# Altium PCB as_x31.PcbDoc (part 5 of 8) (continued)
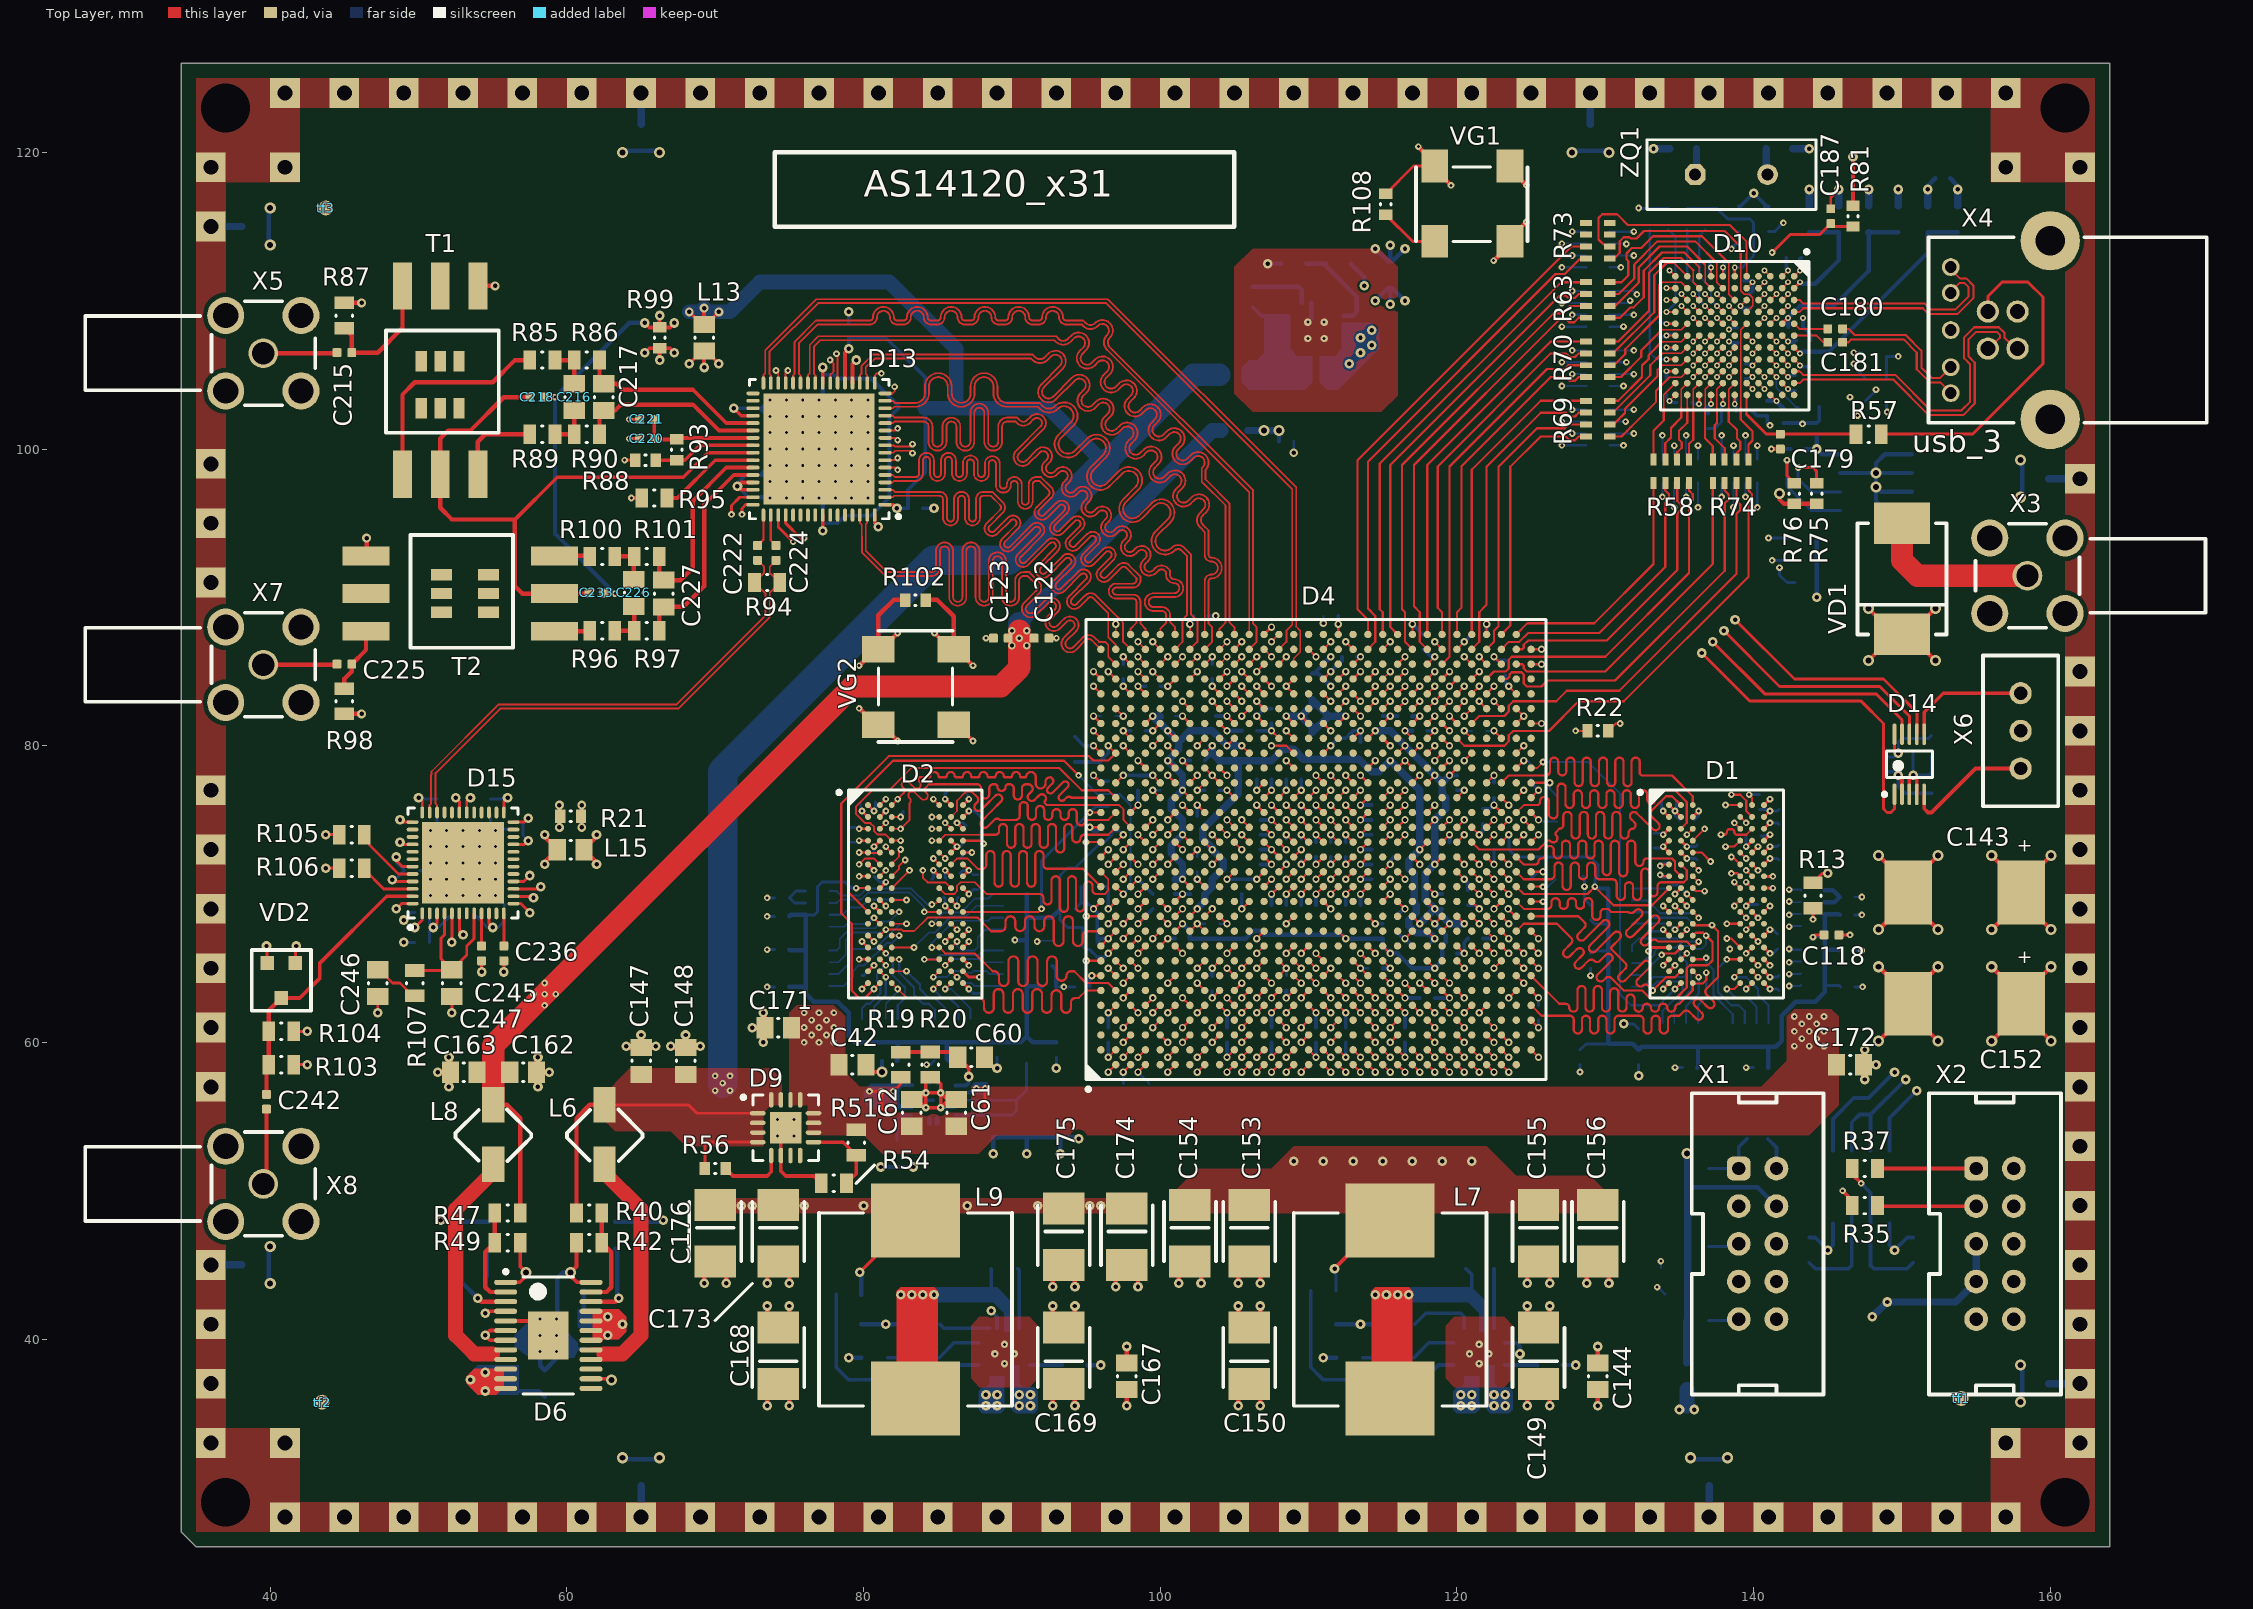
[diagram p0: Top Layer view]
## Nets (pads, with @x,y where several pads share a name; then routed paths per layer and width w, separated by ;. In a path a pad name is that pad's centre, name@x,y a point inside that pad or via, vN(x,y) a via of type N, cw(c..) or ccw(c..) an arc to the next point about the centre after c; other vN are vias at no path point) (continued)
  Bottom Layer w0.125: v2(142.4,70.3) 143.15,70.3 R1.8@143.2,70.25
DDR0_CKE: D1.K9 D4.AK18 R15.2 | length 28.5
  Top Layer w0.125: D1.K9@140.7,68.8 v2(141.1,69.2)
  Top Layer w0.15: D4.AK18@125,75.5 v1(125.5,75)
  int_2 w0.125: 135.2,71.9 135.7,71.9 135.917,72.117 136.6,72.117 138.717,70 140.3,70 v2(141.1,69.2)
  int_2 w0.2: v1(125.5,75) 125.8,74.7 ccw(c126.012,74.912) 126.224,74.7 126.649,75.124 cw(c126.861,74.912) 127.073,75.124 cw(c126.861,74.912) 127.073,74.7 125.81,73.437 ccw(c126.022,73.225) 125.81,73.013 ccw(c126.022,73.225) 126.234,73.013 126.649,73.427 cw(c126.861,73.215) 127.073,73.427 127.2,73.3 128.4,73.3 ccw(c128.4,73.6) 128.7,73.6 128.7,74.2 cw(c129,74.2) 129,74.5 cw(c129,74.2) 129.3,74.2 129.3,73.6 ccw(c129.6,73.6) 129.6,73.3 ccw(c129.6,73.6) 129.9,73.6 129.9,74.2 cw(c130.2,74.2) 130.2,74.5 cw(c130.2,74.2) 130.5,74.2 130.5,73.6 ccw(c130.8,73.6) 130.8,73.3 131.6,73.3 132.5,72.4 134.3,72.4 134.8,71.9 135.2,71.9
  Bottom Layer w0.125: v1(125.5,75) 125.6,74.9 R15.2@126.75,74.9
DDR0_CS: D1.L2 D4.Y12 R4.8 | length 28.1
  Top Layer w0.15: D4.Y12@115,69.5 v1(115.5,70) ; v2(134.7,67.6) D1.L2@135.1,68
  int_1 w0.15: v1(115.5,70) 115,70.5 115,71.15 115.014,71.15 115.314,71.45 115.75,71.45 116.2,71.9 116.9,71.9 117.4,71.4 118.464,71.4 121.414,68.45 121.686,68.45 121.95,68.186 121.95,67.914 122.364,67.5 ; 132.075,67.075 134.175,67.075 v2(134.7,67.6)
  int_1 w0.2: 122.364,67.5 125.8,67.5 126.225,67.075 132.075,67.075
  Bottom Layer w0.15: R4.8@131.8,67.975 131.85,68.025 134.275,68.025 v2(134.7,67.6)
DDR0_DM0: D1.E7 D4.AE15 | length 28.8
  Top Layer w0.15: D4.AE15@120,72.5 v1(120.5,72) ; D1.E7@139.1,72.8 v2(139.5,72.4)
  int_1 w0.125: 136.5,67.9 138.6,70 139.8,70 140.725,70.925
  int_1 w0.15: v1(120.5,72) 120,71.5 120,70.7 121.15,69.55 121.65,69.55 121.95,69.25 121.95,68.814 122.264,68.5 ; 133.2,67.8 133.5,68.1 135.9,68.1 136.1,67.9 136.5,67.9 ; v2(139.5,72.4) 140.101,72.4 140.725,71.776 140.725,70.925
  int_1 w0.2: 122.264,68.5 125.6,68.5 126.3,67.8 133.2,67.8
DDR0_DM1: D1.D3 D4.AH19 | length 21.7
  Top Layer w0.15: D4.AH19@123,76.5 v1(123.5,76) ; D1.D3@135.9,73.6 v2(136.7,74.4)
  int_1 w0.15: v1(123.5,76) 123.7,75.8 126.6,75.8 127,76.2 ; 134.9,76.2 135.1,76.2 ; 135.1,76.189 cw(c135.1,75.989) 135.3,75.989 135.3,75.6 ccw(c135.5,75.6) 135.5,75.4 135.611,75.4 ccw(c135.611,75.59) 135.8,75.59 135.8,76 cw(c136,76) 136,76.2 136.424,76.2 cw(c136.424,76.024) 136.6,76.024 ccw(c136.924,76.024) 136.924,75.7 137.5,75.7 cw(c137.5,75.5) 137.7,75.5 cw(c137.5,75.5) 137.5,75.3 136.8,75.3 ccw(c136.8,75.1) 136.6,75.1 ccw(c136.8,75.1) 136.8,74.9 137.439,74.9 cw(c137.439,74.7) 137.639,74.7 137.639,74.663 cw(c137.376,74.663) 137.376,74.4 v2(136.7,74.4)
  int_1 w0.2: 127,76.2 134.9,76.2
DDR0_DQ0: D1.E3 D4.AF15 | length 24.3
  Top Layer w0.15: D4.AF15@121,72.5 v1(121.5,72) ; D1.E3@135.9,72.8 136.5,72.8 v2(137.1,72.2)
  int_1 w0.125: 134.1,70.1 134.5,70.5 135.8,70.5 136.513,69.788 136.888,69.788 137.3,70.2 137.3,72 v2(137.1,72.2)
  int_1 w0.15: v1(121.5,72) 121.95,71.55 123.75,71.55 ccw(c123.75,71.9) 124.1,71.9 cw(c124.4,71.9) 124.4,72.2 124.5,72.2 cw(c124.5,71.9) 124.8,71.9 124.8,71.8 ccw(c125.05,71.8) 125.05,71.55 125.1,71.55 ccw(c125.1,71.8) 125.35,71.8 125.35,71.85 cw(c125.5,71.85) 125.5,72 ; 132.4,70.1 133,70.1 cw(c133,69.825) 133.275,69.825 133.275,69.805 ccw(c133.55,69.805) 133.55,69.53 ccw(c133.55,69.805) 133.825,69.805 133.825,69.825 cw(c134.1,69.825) 134.1,70.1
  int_1 w0.2: 125.5,72 126.3,72 127.3,71 130,71 cw(c130,70.7) 130.3,70.7 130.3,70.6 ccw(c130.6,70.6) 130.6,70.3 ccw(c130.6,70.6) 130.9,70.6 130.9,70.7 cw(c131.2,70.7) 131.2,71 131.5,71 132.4,70.1
DDR0_DQ1: D1.F7 D4.AE16 | length 28.6
  Top Layer w0.15: D4.AE16@120,73.5 v1(120.5,74) ; v2(138.5,72.5) 138.6,72.5 D1.F7@139.1,72
  int_1 w0.125: 138,78 138.925,77.075 138.925,76.225 137.9,75.2 137.9,74.511 138.6,73.811 138.6,72.6 v2(138.5,72.5)
  int_1 w0.15: v1(120.5,74) 121,74.5 121,75.8 122.3,77.1 123.5,77.1 124.1,77.7 125.2,77.7 125.5,78
  int_1 w0.2: 125.5,78 127,78 ccw(c127,78.25) 127.25,78.25 cw(c127.5,78.25) 127.5,78.5 136.75,78.5 cw(c136.75,78.25) 137,78.25 ccw(c137.25,78.25) 137.25,78 138,78
DDR0_DQ2: D1.F2 D4.AJ14 | length 27.1
  Top Layer w0.15: D4.AJ14@124,71.5 124.5,71 126.3,71 ccw(c126.3,71.275) 126.575,71.275 126.575,71.85 cw(c126.85,71.85) 126.85,72.125 cw(c126.85,71.85) 127.125,71.85 127.125,70.55 ccw(c127.4,70.55) 127.4,70.275 ccw(c127.4,70.55) 127.675,70.55 127.675,71.85 cw(c127.95,71.85) 127.95,72.125 cw(c127.95,71.85) 128.225,71.85 128.225,71.275 ccw(c128.5,71.275) 128.5,71 ccw(c128.5,71.275) 128.775,71.275 128.775,71.85 cw(c129.05,71.85) 129.05,72.125 cw(c129.05,71.85) 129.325,71.85 129.325,71.275 ccw(c129.6,71.275) 129.6,71 130.478,71 cw(c130.478,70.703) 130.775,70.703 130.775,69.875 ccw(c131.05,69.875) 131.05,69.6 ccw(c131.05,69.875) 131.325,69.875 131.325,70.525 cw(c131.6,70.525) 131.6,70.8 cw(c131.6,70.525) 131.875,70.525 131.875,69.875 ccw(c132.15,69.875) 132.15,69.6 ccw(c132.15,69.875) 132.425,69.875 132.425,71.451 cw(c132.7,71.451) 132.7,71.726 cw(c132.7,71.451) 132.975,71.451 132.975,70.126 ccw(c133.25,70.126) 133.25,69.851 ccw(c133.25,70.126) 133.525,70.126 133.525,70.525 cw(c133.8,70.525) 133.8,70.8 135.3,70.8 135.5,71 135.5,71.6 D1.F2@135.1,72
DDR0_DQ3: D1.F8 D4.AH15 | length 31.5
  Top Layer w0.15: D4.AH15@123,72.5 v1(123.5,72) ; D1.F8@139.9,72 v2(140.3,71.6)
  int_1 w0.125: v1(123.5,72) 123.063,72.437 121.3,72.437 121,72.137 121,70.8 121.3,70.5 121.619,70.5 121.938,70.181 121.938,69.944 122.381,69.5 123.75,69.5 124.25,69 ; 136.124,68.825 136.825,68.825 138.3,70.3 139.7,70.3 140,70.6 140,71.3
  int_1 w0.15: 131.75,68.4 135.7,68.4 135.875,68.575 ; 135.875,68.576 136.124,68.825 ; 140,71.3 v2(140.3,71.6)
  int_1 w0.2: 124.25,69 126,69 126.6,68.4 126.75,68.4 ccw(c126.75,68.65) 127,68.65 127,68.85 cw(c127.25,68.85) 127.25,69.1 cw(c127.25,68.85) 127.5,68.85 127.5,68.65 ccw(c127.75,68.65) 127.75,68.4 ccw(c127.75,68.65) 128,68.65 128,68.85 cw(c128.25,68.85) 128.25,69.1 cw(c128.25,68.85) 128.5,68.85 128.5,68.65 ccw(c128.75,68.65) 128.75,68.4 ccw(c128.75,68.65) 129,68.65 129,68.85 cw(c129.25,68.85) 129.25,69.1 cw(c129.25,68.85) 129.5,68.85 129.5,68.65 ccw(c129.75,68.65) 129.75,68.4 ccw(c129.75,68.65) 130,68.65 130,68.85 cw(c130.25,68.85) 130.25,69.1 cw(c130.25,68.85) 130.5,68.85 130.5,68.65 ccw(c130.75,68.65) 130.75,68.4 131.75,68.4
DDR0_DQ4: D1.H3 D4.AE17 | length 25.4
  Top Layer w0.15: D4.AE17@120,74.5 v1(120.5,75) ; D1.H3@135.9,70.4 136.1,70.2 v2(136.7,70.2)
  int_1 w0.125: 135.7,71.9 135.899,72.099 136.6,72.099 136.899,71.8 ; v2(136.7,70.2) 136.9,70.4 136.9,71.8
  int_1 w0.15: 120.2,73.5 120,73.7 120,74.5 v1(120.5,75)
  int_1 w0.2: 120.2,73.5 126.75,73.5 cw(c126.75,73) 127.25,73 127.25,72.75 ccw(c127.5,72.75) 127.5,72.5 127.713,72.5 ccw(c127.713,72.787) 128,72.787 128,73.25 cw(c128.25,73.25) 128.25,73.5 129,73.5 cw(c129,73.25) 129.25,73.25 ccw(c129.5,73.25) 129.5,73 ccw(c129.5,73.25) 129.75,73.25 cw(c130,73.25) 130,73.5 130.5,73.5 130.75,73.25 132.05,73.25 132.9,72.4 133.7,72.4 cw(c133.7,71.9) 134.2,71.9 134.2,71.719 ccw(c134.5,71.719) 134.5,71.419 135.219,71.419 ccw(c135.219,71.6) 135.4,71.6 cw(c135.7,71.6) 135.7,71.9
DDR0_DQ5: D1.H8 D4.AD17 | length 31
  Top Layer w0.15: D4.AD17@119,74.5 v1(119.5,75) ; v2(139.5,70.8) D1.H8@139.9,70.4
  int_1 w0.125: 138.2,78.4 139.2,77.4 139.2,75.901 138.275,74.976 138.275,74.625 139,73.9
  int_1 w0.15: v1(119.5,75) 122,77.5 123.1,77.5 123.7,78.1 124.9,78.1 125.2,78.4 ; 139,73.9 139,71.3 v2(139.5,70.8)
  int_1 w0.2: 125.2,78.4 126.4,78.4 ccw(c126.4,78.75) 126.75,78.75 cw(c127,78.75) 127,79 137.25,79 cw(c137.25,78.75) 137.5,78.75 137.5,78.65 ccw(c137.75,78.65) 137.75,78.4 138.2,78.4
DDR0_DQ6: D1.G2 D4.AJ15 | length 28.7
  Top Layer w0.15: D4.AJ15@124,72.5 124.5,72 125.3,72 ccw(c125.3,72.2) 125.5,72.2 cw(c125.7,72.2) 125.7,72.4 ccw(c125.7,72.675) 125.975,72.675 125.975,72.972 cw(c126.25,72.972) 126.25,73.247 cw(c126.25,72.972) 126.525,72.972 126.525,72.675 ccw(c126.8,72.675) 126.8,72.4 ccw(c126.8,72.675) 127.075,72.675 127.075,73.325 cw(c127.35,73.325) 127.35,73.6 cw(c127.35,73.325) 127.625,73.325 127.625,72.675 ccw(c127.9,72.675) 127.9,72.4 ccw(c127.9,72.675) 128.175,72.675 128.175,73.325 cw(c128.45,73.325) 128.45,73.6 cw(c128.45,73.325) 128.725,73.325 128.725,72.675 ccw(c129,72.675) 129,72.4 ccw(c129,72.675) 129.275,72.675 129.275,73.325 cw(c129.55,73.325) 129.55,73.6 cw(c129.55,73.325) 129.825,73.325 129.825,71.55 ccw(c130.1,71.55) 130.1,71.275 ccw(c130.1,71.55) 130.375,71.55 130.375,73.325 cw(c130.65,73.325) 130.65,73.6 cw(c130.65,73.325) 130.925,73.325 130.925,71.475 ccw(c131.2,71.475) 131.2,71.2 ccw(c131.2,71.475) 131.475,71.475 131.475,73.325 cw(c131.75,73.325) 131.75,73.6 cw(c131.75,73.325) 132.025,73.325 132.025,72.171 ccw(c132.3,72.171) 132.3,71.896 ccw(c132.3,72.171) 132.575,72.171 132.575,72.175 cw(c132.8,72.175) 132.8,72.4 134.5,72.4 134.7,72.2 134.7,71.6 D1.G2@135.1,71.2
DDR0_DQ7: D1.H7 D4.AF14 | length 23
  Top Layer w0.15: D4.AF14@121,71.5 v1(121.5,71) ; v2(138.7,70.8) D1.H7@139.1,70.4
  int_1 w0.125: v1(121.5,71) 122,70.5 123.5,70.5 cw(c123.5,70) 124,70 ccw(c124.4,70) 124.4,69.6 ccw(c124.4,70) 124.8,70 124.8,70.2 cw(c125.1,70.2) 125.1,70.5 cw(c125.1,70.213) 125.387,70.213 125.387,70.15 ccw(c125.537,70.15) 125.537,70 125.6,70 ; 136.1,69.2 136.8,69.2 138.4,70.8 v2(138.7,70.8)
  int_1 w0.15: 132,69.1 132,69 ccw(c132.3,69) 132.3,68.7 135.601,68.7 135.925,69.024 136.1,69.2
  int_1 w0.2: 125.6,70 126.2,70 126.7,69.5 126.9,69.5 ccw(c126.9,69.9) 127.3,69.9 cw(c127.6,69.9) 127.6,70.2 cw(c127.6,69.9) 127.9,69.9 127.9,69.8 ccw(c128.2,69.8) 128.2,69.5 130.9,69.5 cw(c130.9,69.2) 131.2,69.2 131.2,69.1 ccw(c131.4,69.1) 131.4,68.9 ccw(c131.4,69.1) 131.6,69.1 cw(c131.8,69.1) 131.8,69.3 cw(c131.8,69.1) 132,69.1
DDR0_DQ8: D1.D7 D4.AK17 | length 25
  Top Layer w0.15: v1(124.5,75) D4.AK17@125,74.5 ; v2(138.1,73.2) 138.7,73.2 D1.D7@139.1,73.6
  int_1 w0.125: 132.6,74.8 135.301,74.8 136,74.101 136,72.648 ccw(c136.3,72.648) 136.3,72.348 136.537,72.348 ccw(c136.537,72.612) 136.8,72.612 136.8,73 cw(c137,73) 137,73.2 137.3,73.2 cw(c137.3,72.951) 137.549,72.951 137.549,71.2 ccw(c137.649,71.2) 137.649,71.1 138,71.1 ccw(c138,71.189) 138.089,71.189 138.089,71.412 ccw(c138,71.412) 138,71.5 137.9,71.5 cw(c137.9,71.6) 137.8,71.6 137.8,71.7 cw(c137.9,71.7) 137.9,71.8 138.1,71.8 ccw(c138.1,72) 138.3,72 ccw(c138.1,72) 138.1,72.2 138,72.2 cw(c138,72.3) 137.9,72.3 137.9,72.5 cw(c138,72.5) 138,72.6 ccw(c138,72.7) 138.1,72.7 v2(138.1,73.2)
  int_1 w0.15: v1(124.5,75) 124.95,74.55 125.85,74.55 126.1,74.8
  int_1 w0.2: 126.1,74.8 127.3,74.8 cw(c127.6,74.8) 127.9,74.8 128.5,74.8 cw(c128.8,74.8) 129.1,74.8 129.7,74.8 cw(c130,74.8) 130.3,74.8 130.9,74.8 cw(c131.2,74.8) 131.5,74.8 ccw(c131.8,74.8) 132.1,74.8 132.6,74.8
DDR0_DQ9: D1.C3 D4.AK16 | length 21.8
  Top Layer w0.15: D4.AK16@125,73.5 v1(125.5,74) ; v2(135.5,74) D1.C3@135.9,74.4
  int_1 w0.2: v1(125.5,74) 125.828,74 ccw(c125.828,74.172) 126,74.172 cw(c126.25,74.172) 126.25,74.422 cw(c126.25,74.172) 126.5,74.172 ccw(c126.672,74.172) 126.672,74 126.775,74 ccw(c126.775,74.225) 127,74.225 cw(c127.25,74.225) 127.25,74.475 cw(c127.25,74.225) 127.5,74.225 ccw(c127.725,74.225) 127.725,74 127.775,74 ccw(c127.775,74.225) 128,74.225 cw(c128.25,74.225) 128.25,74.475 cw(c128.25,74.225) 128.5,74.225 ccw(c128.725,74.225) 128.725,74 128.775,74 ccw(c128.775,74.225) 129,74.225 cw(c129.25,74.225) 129.25,74.475 cw(c129.25,74.225) 129.5,74.225 ccw(c129.725,74.225) 129.725,74 129.775,74 ccw(c129.775,74.225) 130,74.225 cw(c130.25,74.225) 130.25,74.475 cw(c130.25,74.225) 130.5,74.225 ccw(c130.725,74.225) 130.725,74 131,74 cw(c131,73.75) 131.25,73.75 ccw(c131.425,73.75) 131.425,73.575 131.8,73.575 ; 131.8,73.574 132.074,73.574 ccw(c132.074,73.75) 132.25,73.75 132.25,74.25 cw(c132.476,74.25) 132.476,74.476 132.624,74.476 cw(c132.624,74.2) 132.9,74.2 132.9,73.2 ccw(c133.1,73.2) 133.1,73 133.2,73 ccw(c133.2,73.2) 133.4,73.2 133.4,74.2 cw(c133.7,74.2) 133.7,74.5 134.1,74.5 cw(c134.1,74.06) 134.54,74.06 134.54,72 ccw(c134.74,72) 134.74,71.8 134.9,71.8 ccw(c134.9,71.951) 135.051,71.951 135.051,73.251 135.051,73.551 cw(c135.5,73.551) v2(135.5,74)
DDR0_DQ10: D1.C8 D4.AG17 | length 23.9
  Top Layer w0.15: D4.AG17@122,74.5 v1(122.5,75) ; v2(137.8,74) 138,74 ccw(c138,74.2) 138.2,74.2 cw(c138.376,74.2) 138.376,74.376 138.524,74.376 cw(c138.524,74.2) 138.7,74.2 ccw(c138.9,74.2) 138.9,74 139.5,74 D1.C8@139.9,74.4
  int_1 w0.125: 133.6,75.1 135.4,75.1 136.289,74.212 136.289,73.512 ccw(c136.5,73.512) 136.5,73.3 ccw(c136.5,73.5) 136.7,73.5 136.7,73.789 cw(c136.9,73.789) 136.7,73.799 cw(c136.9,73.789) 136.9,73.989 cw(c136.9,73.789) 137.1,73.789 137.1,73.659 ccw(c137.3,73.659) 137.3,73.459 ccw(c137.3,73.659) 137.5,73.659 137.5,73.7 v2(137.8,74)
  int_1 w0.15: v1(122.5,75) ccw(c123.05,75) 123.05,74.45 123.5,74.45 ccw(c123.5,74.95) 124,74.95 124,75 cw(c124.5,75) 124.5,75.5 126.75,75.5 ; 133.2,75.5 133.6,75.1
  int_1 w0.2: 126.75,75.5 127.95,75.5 cw(c128.25,75.5) 128.55,75.5 129.15,75.5 cw(c129.45,75.5) 129.75,75.5 130.35,75.5 cw(c130.65,75.5) 130.95,75.5 131.55,75.5 cw(c131.85,75.5) 132.15,75.5 ccw(c132.45,75.5) 132.75,75.5 133.2,75.5
DDR0_DQ11: D1.C2 D4.AJ18 | length 29.1
  Top Layer w0.125: D4.AJ18@124,75.5 124.5,76 125.4,76
  Top Layer w0.15: 125.4,76 ccw(c125.4,76.2) 125.6,76.2 125.6,76.25 cw(c125.9,76.25) 125.9,76.55 cw(c125.9,76.25) 126.2,76.25 126.2,75.4 ccw(c126.5,75.4) 126.5,75.1 ccw(c126.5,75.375) 126.775,75.375 126.775,77.172 cw(c127.05,77.172) 127.05,77.447 cw(c127.05,77.172) 127.325,77.172 127.325,76.075 ccw(c127.6,76.075) 127.6,75.8 ccw(c127.6,76.075) 127.875,76.075 127.875,76.725 cw(c128.15,76.725) 128.15,77 cw(c128.15,76.725) 128.425,76.725 128.425,76.075 ccw(c128.7,76.075) 128.7,75.8 ccw(c128.7,76.075) 128.975,76.075 128.975,76.725 cw(c129.25,76.725) 129.25,77 cw(c129.25,76.725) 129.525,76.725 129.525,76.075 ccw(c129.8,76.075) 129.8,75.8 ccw(c129.8,76.075) 130.075,76.075 130.075,76.725 cw(c130.35,76.725) 130.35,77 cw(c130.35,76.725) 130.625,76.725 130.625,76.075 ccw(c130.9,76.075) 130.9,75.8 ccw(c130.9,76.075) 131.175,76.075 131.175,76.725 cw(c131.45,76.725) 131.45,77 cw(c131.45,76.725) 131.725,76.725 131.725,76.075 ccw(c132,76.075) 132,75.8 ccw(c132,76.075) 132.275,76.075 132.275,76.725 cw(c132.55,76.725) 132.55,77 cw(c132.55,76.725) 132.825,76.725 132.825,76.376 ccw(c133.1,76.376) 133.1,76.101 ccw(c133.1,76.376) 133.375,76.376 133.375,76.725 cw(c133.65,76.725) 133.65,77 134.7,77 135.5,76.2 135.5,74.8 D1.C2@135.1,74.4
DDR0_DQ12: D1.A7 D4.AG16 | length 25.8
  Top Layer w0.15: D4.AG16@122,73.5 v1(122.5,74) ; v2(138.1,76) D1.A7@139.1,76
  int_1 w0.15: v1(122.5,74) 122,74.5 122,76.3 122.3,76.6 123.8,76.6 124.325,76.075 126.451,76.075 127.176,76.8 ; 136.9,76.8 137.675,76.025 138.075,76.025 v2(138.1,76)
  int_1 w0.2: 127.176,76.8 127.776,76.8 ccw(c128.076,76.826) 128.376,76.8 cw(c128.676,76.8) 128.976,76.8 ccw(c129.276,76.826) 129.576,76.8 cw(c129.876,76.8) 130.176,76.8 ccw(c130.476,76.826) 130.776,76.8 cw(c131.076,76.8) 131.376,76.8 ccw(c131.676,76.825) 131.976,76.8 cw(c132.276,76.8) 132.576,76.8 ccw(c132.876,76.825) 133.176,76.8 cw(c133.476,76.8) 133.776,76.8 ccw(c134.076,76.825) 134.376,76.8 cw(c134.676,76.8) 134.976,76.8 ccw(c135.276,76.8) 135.576,76.8 cw(c135.876,76.8) 136.176,76.8 136.9,76.8
DDR0_DQ13: D1.A2 D4.AF16 | length 32.2
  Top Layer w0.15: D4.AF16@121,73.5 121.5,73 125.5,73 126.065,73.565 cw(c126.183,73.447) 126.301,73.565 ccw(c126.496,73.76) 126.69,73.565 ccw(c126.496,73.76) 126.69,73.954 cw(c126.808,74.072) 126.69,74.19 126.9,74.4 ccw(c126.9,74.675) 127.175,74.675 127.175,75.264 cw(c127.45,75.264) 127.45,75.539 cw(c127.45,75.264) 127.725,75.264 127.725,74.016 ccw(c128,74.016) 128,73.741 ccw(c128,74.016) 128.275,74.016 128.275,75.264 cw(c128.55,75.264) 128.55,75.539 cw(c128.55,75.264) 128.825,75.264 128.825,74.016 ccw(c129.1,74.016) 129.1,73.741 ccw(c129.1,74.016) 129.375,74.016 129.375,75.264 cw(c129.65,75.264) 129.65,75.539 cw(c129.65,75.264) 129.925,75.264 129.925,74.016 ccw(c130.2,74.016) 130.2,73.741 ccw(c130.2,74.016) 130.475,74.016 130.475,75.264 cw(c130.75,75.264) 130.75,75.539 cw(c130.75,75.264) 131.025,75.264 131.025,74.015 ccw(c131.3,74.015) 131.3,73.74 ccw(c131.3,74.015) 131.575,74.015 131.575,74.125 cw(c131.85,74.125) 131.85,74.4 131.9,74.4 131.955,74.455 ccw(c131.761,74.65) 131.955,74.844 131.741,75.059 cw(c131.935,75.254) 131.741,75.448 cw(c131.935,75.254) 132.13,75.448 132.539,75.039 133.193,74.385 ccw(c133.387,74.579) 133.582,74.385 ccw(c133.387,74.579) 133.582,74.774 133.122,75.233 cw(c133.317,75.428) 133.122,75.622 134.1,76.6 134.5,76.6 D1.A2@135.1,76
DDR0_DQ14: D1.B8 D4.AJ19 | length 22.8
  Top Layer w0.15: D4.AJ19@124,76.5 v1(124.5,77) ; v2(138.5,76.7) 139.1,76.7 139.5,76.3 139.5,75.6 D1.B8@139.9,75.2
  int_1 w0.125: 136.5,77.75 136.75,77.5 137.3,77.5 138.1,76.7 v2(138.5,76.7)
  int_1 w0.15: v1(124.5,77) 125.1,76.4 126.15,76.4
  int_1 w0.2: 126.15,76.4 127.5,77.75 128.2,77.75 ccw(c128.475,77.75) 128.75,77.75 cw(c129.025,77.75) 129.3,77.75 ccw(c129.575,77.75) 129.85,77.75 cw(c130.125,77.75) 130.4,77.75 ccw(c130.675,77.75) 130.95,77.75 cw(c131.225,77.75) 131.5,77.75 ccw(c131.775,77.75) 132.05,77.75 cw(c132.325,77.75) 132.6,77.75 ccw(c132.875,77.75) 133.15,77.75 cw(c133.425,77.75) 133.7,77.75 ccw(c133.975,77.75) 134.25,77.75 cw(c134.525,77.75) 134.8,77.75 ccw(c135.075,77.75) 135.35,77.75 cw(c135.625,77.75) 135.9,77.75 136.5,77.75
DDR0_DQ15: D1.A3 D4.AH20 | length 31.7
  Top Layer w0.15: D4.AH20@123,77.5 123.5,78 126,78 ccw(c126,78.275) 126.275,78.275 126.275,78.925 cw(c126.55,78.925) 126.55,79.2 cw(c126.55,78.925) 126.825,78.925 126.825,78.275 ccw(c127.1,78.275) 127.1,78 ccw(c127.1,78.275) 127.375,78.275 127.375,78.925 cw(c127.65,78.925) 127.65,79.2 cw(c127.65,78.925) 127.925,78.925 127.925,77.548 ccw(c128.2,77.548) 128.2,77.273 ccw(c128.2,77.548) 128.475,77.548 128.475,78.925 cw(c128.75,78.925) 128.75,79.2 cw(c128.75,78.925) 129.025,78.925 129.025,77.548 ccw(c129.3,77.548) 129.3,77.273 ccw(c129.3,77.548) 129.575,77.548 129.575,78.925 cw(c129.85,78.925) 129.85,79.2 cw(c129.85,78.925) 130.125,78.925 130.125,77.548 ccw(c130.4,77.548) 130.4,77.273 ccw(c130.4,77.548) 130.675,77.548 130.675,78.925 cw(c130.95,78.925) 130.95,79.2 cw(c130.95,78.925) 131.225,78.925 131.225,77.547 ccw(c131.5,77.547) 131.5,77.272 ccw(c131.5,77.547) 131.775,77.547 131.775,78.925 cw(c132.05,78.925) 132.05,79.2 cw(c132.05,78.925) 132.325,78.925 132.325,78.175 ccw(c132.5,78.175) 132.5,78 134.5,78 135.9,76.6 D1.A3@135.9,76
DDR0_DQS0_N: D1.G3 D4.AA16 | length 34.9
  Top Layer w0.125: D4.AA16@116,73.5 v1(116.5,74) ; D1.G3@135.9,71.2 v2(136.3,70.8)
  int_1 w0.13: v1(116.5,74) 116.5,73.3 cw(c116.2,73.3) 116.2,73 115.3,73 ccw(c115.3,72.8) 115.1,72.8 115.1,72.7 ccw(c115.3,72.7) 115.3,72.5 116.5,72.5 ccw(c116.5,72.8) 116.8,72.8 116.8,73.1 cw(c117.2,73.1) 117.2,73.5 118.358,73.5 cw(c118.358,73.3) 118.558,73.3 cw(c118.358,73.3) 118.358,73.1 118.3,73.1 ccw(c118.3,72.8) 118,72.8 ccw(c118.3,72.8) 118.3,72.5 119.197,72.5 cw(c119.197,72.197) 119.5,72.197 119.5,71.9 ccw(c119.7,71.9) 119.7,71.7 ccw(c119.7,71.9) 119.9,71.9 119.9,72.5 cw(c120.2,72.5) 120.2,72.8 123,72.8 123.75,72.8 124.669,72.8 ccw(c125.212,72.845) 125.212,72.3 ccw(c125.212,72.845) 125.755,72.8 126.133,72.8 127.533,71.4 127.9,71.4 ccw(c127.9,71.945) 128.445,71.945 128.445,72.185 cw(c128.66,72.185) 128.66,72.4 cw(c128.66,72.185) 128.875,72.185 128.875,71.945 ccw(c129.42,71.945) 129.42,71.4 ccw(c129.42,71.945) 129.965,71.945 129.965,72.185 cw(c130.18,72.185) 130.18,72.4 cw(c130.18,72.185) 130.395,72.185 130.395,71.945 ccw(c130.94,71.945) 130.94,71.4 ccw(c130.94,71.945) 131.485,71.945 131.485,72.185 cw(c131.7,72.185) 131.7,72.4 cw(c131.7,72.185) 131.915,72.185 131.915,71.218 132.633,70.5 134,70.5 134.3,70.8 v2(136.3,70.8)
DDR0_DQS0_P: D1.F3 D4.Y16 | length 34.8
  Top Layer w0.125: D4.Y16@115,73.5 v1(115.5,74) ; D1.F3@135.9,72 v2(136.3,71.6)
  int_1 w0.13: v1(115.5,74) cw(c116.015,74) 116.015,74.515 116.515,74.515 ccw(c116.515,75) 117,75 117,75.218 cw(c117.182,75.218) 117.182,75.4 117.86,75.4 cw(c117.86,75.2) 118.06,75.2 cw(c117.86,75.2) 117.86,75 117.5,75 ccw(c117.5,74.8) 117.3,74.8 117.3,74.1 ccw(c117.5,74.1) 117.5,73.9 ccw(c117.5,74.1) 117.7,74.1 117.7,74.5 cw(c117.9,74.5) 117.9,74.7 cw(c117.9,74.5) 118.1,74.5 118.1,74.042 ccw(c118.3,74.042) 118.3,73.842 ccw(c118.3,74.042) 118.5,74.042 118.5,74.3 cw(c118.7,74.3) 118.7,74.5 cw(c118.7,74.3) 118.9,74.3 118.9,73.418 ccw(c119.188,73.418) 119.188,73.13 121.2,73.13 123,73.13 124.712,73.13 cw(c124.712,72.845) 124.997,72.845 ccw(c125.212,72.845) 125.212,72.63 ccw(c125.212,72.845) 125.427,72.845 cw(c125.712,72.845) 125.712,73.13 126.27,73.13 127.664,71.736 127.9,71.736 ; 127.906,71.736 ccw(c127.906,71.945) 128.115,71.945 128.115,72.185 cw(c128.66,72.185) 128.66,72.73 cw(c128.66,72.185) 129.205,72.185 129.205,71.945 ccw(c129.42,71.945) 129.42,71.73 ccw(c129.42,71.945) 129.635,71.945 129.635,72.185 cw(c130.18,72.185) 130.18,72.73 cw(c130.18,72.185) 130.725,72.185 130.725,71.945 ccw(c130.94,71.945) 130.94,71.73 ccw(c130.94,71.945) 131.155,71.945 131.155,72.185 cw(c131.7,72.185) 131.7,72.73 cw(c131.7,72.185) 132.245,72.185 132.245,71.355 132.77,70.83 133.863,70.83 134.163,71.13 135.463,71.13 135.933,71.6 v2(136.3,71.6)
DDR0_DQS1_N: D1.B7 D4.Y18 | length 35.3
  Top Layer w0.125: D4.Y18@115,75.5 v1(115.5,76) ; D1.B7@139.1,75.2 v2(139.5,74.8)
  int_1 w0.13: v1(115.5,76) 116,76.5 117.133,76.5 117.433,76.8 119.1,76.8 121.2,78.9 123.6,78.9 124.2,79.5 125.233,79.5 125.463,79.73 126.467,79.73 cw(c127.01,79.685) 127.01,80.23 cw(c127.01,79.685) 127.553,79.73 127.987,79.73 cw(c128.53,79.685) 128.53,80.23 cw(c128.53,79.685) 129.073,79.73 129.507,79.73 cw(c130.05,79.685) 130.05,80.23 cw(c130.05,79.685) 130.593,79.73 131.027,79.73 cw(c131.57,79.685) 131.57,80.23 cw(c131.57,79.685) 132.113,79.73 132.547,79.73 cw(c133.09,79.685) 133.09,80.23 cw(c133.09,79.685) 133.633,79.73 134.067,79.73 cw(c134.61,79.685) 134.61,80.23 cw(c134.61,79.685) 135.153,79.73 138.037,79.73 140.6,77.167 140.6,75.5 139.9,74.8 v2(139.5,74.8)
DDR0_DQS1_P: D1.C7 D4.Y17 | length 35.5
  Top Layer w0.125: D4.Y17@115,74.5 v1(115.5,75) ; v2(138.7,74.8) D1.C7@139.1,74.4
  int_1 w0.13: v1(115.5,75) 116,75.5 116.622,75.5 117.3,76.178 117.3,76.2 117.57,76.47 119.237,76.47 121.327,78.56 124.76,78.56 125.6,79.4 126.51,79.4 ccw(c126.51,79.685) 126.795,79.685 cw(c127.01,79.685) 127.01,79.9 cw(c127.01,79.685) 127.225,79.685 ccw(c127.51,79.685) 127.51,79.4 128.03,79.4 ccw(c128.03,79.685) 128.315,79.685 cw(c128.53,79.685) 128.53,79.9 cw(c128.53,79.685) 128.745,79.685 ccw(c129.03,79.685) 129.03,79.4 129.55,79.4 ccw(c129.55,79.685) 129.835,79.685 cw(c130.05,79.685) 130.05,79.9 cw(c130.05,79.685) 130.265,79.685 ccw(c130.55,79.685) 130.55,79.4 131.07,79.4 ccw(c131.07,79.685) 131.355,79.685 cw(c131.57,79.685) 131.57,79.9 cw(c131.57,79.685) 131.785,79.685 ccw(c132.07,79.685) 132.07,79.4 132.59,79.4 ccw(c132.59,79.685) 132.875,79.685 cw(c133.09,79.685) 133.09,79.9 cw(c133.09,79.685) 133.305,79.685 ccw(c133.59,79.685) 133.59,79.4 134.11,79.4 ccw(c134.11,79.685) 134.395,79.685 cw(c134.61,79.685) 134.61,79.9 cw(c134.61,79.685) 134.825,79.685 ccw(c135.11,79.685) 135.11,79.4 137.9,79.4 140.2,77.1 140.2,75.7 139.9,75.4 139.3,75.4 v2(138.7,74.8)
DDR0_ODT: D1.K1 D4.AH14 | length 12.4
  Top Layer w0.15: D4.AH14@123,71.5 v1(123.5,71) ; v2(133.9,69.2) D1.K1@134.3,68.8
  int_1 w0.15: v1(123.5,71) 126.5,71 127,70.5 127.9,70.5 128.4,70 131.7,70 132.5,69.2 v2(133.9,69.2)
DDR0_RAS: D1.J3 D4.AG9 R4.5 | length 29.5
  Top Layer w0.15: D4.AG9@122,66.5 v1(122.5,66) ; v2(135.5,70) D1.J3@135.9,69.6
  int_2 w0.15: 122.464,72.6 122.05,72.186 122.05,71.914 121.586,71.45 121.314,71.45 121.05,71.186 121.05,70.75 120.05,69.75 120.05,67.55 121,66.6 121,65.864 121.314,65.55 121.686,65.55 122.136,66 v1(122.5,66) ; 133.2,70.7 134.8,70.7 v2(135.5,70)
  int_2 w0.2: 122.464,72.6 131.3,72.6 133.2,70.7
  Bottom Layer w0.15: R4.5@131.8,70.375 134.275,70.375 134.5,70.6 134.9,70.6 v2(135.5,70)
DDR0_RESET_N: D1.T2 D4.AK21 R17.2 | length 25.6
  Top Layer w0.125: D4.AK21@125,78.5 125.4,78.5 v2(125.8,78.9)
  Top Layer w0.15: v2(134.7,63.6) D1.T2@135.1,64
  Bottom Layer w0.125: v2(125.8,78.9) 128.85,78.9 131,76.75 131,73.7
  Bottom Layer w0.15: 131,73.7 131,63.25 131.75,62.5 133.6,62.5 v2(134.7,63.6)
DDR0_WE: D1.L3 D4.AK5 R4.7 | length 38.2
  Top Layer w0.125: D4.AK5@125,62.5 125.4,62.1
  Top Layer w0.15: 125.4,62.1 125.7,61.8 127.6,61.8 cw(c127.6,61.525) 127.875,61.525 127.875,60.875 ccw(c128.15,60.875) 128.15,60.6 ccw(c128.15,60.875) 128.425,60.875 128.425,61.525 cw(c128.7,61.525) 128.7,61.8 cw(c128.7,61.525) 128.975,61.525 128.975,60.875 ccw(c129.25,60.875) 129.25,60.6 ccw(c129.25,60.875) 129.525,60.875 129.525,61.525 cw(c129.8,61.525) 129.8,61.8 cw(c129.8,61.525) 130.075,61.525 130.075,60.875 ccw(c130.35,60.875) 130.35,60.6 ccw(c130.35,60.875) 130.625,60.875 130.625,61.525 cw(c130.9,61.525) 130.9,61.8 132.3,61.8 cw(c132.3,61.525) 132.575,61.525 132.575,60.875 ccw(c132.85,60.875) 132.85,60.6 ccw(c132.85,60.875) 133.125,60.875 133.125,61.525 cw(c133.4,61.525) 133.4,61.8 cw(c133.4,61.525) 133.675,61.525 133.675,60.875 ccw(c133.95,60.875) 133.95,60.6 ccw(c133.95,60.875) 134.225,60.875 134.225,61.525 cw(c134.5,61.525) 134.5,61.8 135,61.8 135.267,62.067 cw(c135.461,61.872) 135.655,62.067 136.115,61.607 ccw(c136.31,61.801) 136.504,61.607 ccw(c136.31,61.801) 136.504,61.996 ; D1.L3@135.9,68 136,67.9 v2(137.2,67.9) 137.6,67.5 137.6,64.4 136.822,63.622 ccw(c137.017,63.428) 136.822,63.233 137.282,62.774 cw(c137.087,62.579) 137.282,62.385 cw(c137.087,62.579) 136.893,62.385 136.433,62.844 ccw(c136.239,62.65) 136.044,62.844 ccw(c136.239,62.65) 136.044,62.456 ; 136.044,62.455 136.504,61.996
  Bottom Layer w0.15: R4.7@131.8,68.775 132.925,68.775 133.3,68.4 135.5,68.4 136,67.9 v2(137.2,67.9)
DDR1_A0: D2.N3 D4.B11 R7.7 | length 28.7
  Top Layer w0.125: D2.N3@81.9,66.4 v2(83.4,66.4)
  Top Layer w0.15: v1(96.5,68) D4.B11@97,68.5
  int_2 w0.125: v2(83.4,66.4) 83.4,65.6 83.9,65.1 84.3,65.1 84.7,65.5 85,65.5 85.8,66.3 87.6,66.3
  int_2 w0.15: 87.6,66.3 87.951,66.651 ; 87.952,66.652 ccw(c87.81,66.793) 87.952,66.934 87.567,67.319 cw(c87.708,67.46) 87.567,67.602 cw(c87.708,67.46) 87.85,67.602 88.234,67.217 ccw(c88.376,67.359) 88.517,67.217 ; 88.517,67.217 88.9,67.6 ; 95.8,67.6 96.2,68 v1(96.5,68)
  int_2 w0.2: 88.9,67.6 90.237,67.6 cw(c90.237,67.287) 90.55,67.287 ccw(c90.9,67.287) 90.9,66.937 ccw(c90.9,67.287) 91.25,67.287 cw(c91.563,67.287) 91.563,67.6 91.777,67.6 cw(c91.777,67.427) 91.95,67.427 ccw(c92.3,67.427) 92.3,67.077 ccw(c92.3,67.427) 92.65,67.427 cw(c92.823,67.427) 92.823,67.6 93.225,67.6 cw(c93.225,67.475) 93.35,67.475 ccw(c93.7,67.475) 93.7,67.125 ccw(c93.7,67.475) 94.05,67.475 cw(c94.175,67.475) 94.175,67.6 94.625,67.6 cw(c94.625,67.475) 94.75,67.475 ccw(c95.1,67.475) 95.1,67.125 ccw(c95.1,67.475) 95.45,67.475 cw(c95.575,67.475) 95.575,67.6 95.8,67.6
  Bottom Layer w0.125: v2(83.4,66.4) 84.4,67.4 84.8,67.4 85.9,68.5 86.9,68.5 87.613,69.213 89.387,69.213 R7.7@89.4,69.2
DDR1_A1: D2.P7 D4.A11 R12.8 | length 27.9
  Top Layer w0.125: v2(84.1,65.6) D2.P7@85.1,65.6
  Top Layer w0.15: v1(95,68.5) D4.A11@96,68.5
  int_2 w0.15: v2(84.1,65.6) cw(c84.4,65.6) 84.4,65.9 84.7,65.9 ccw(c84.7,66.3) 85.1,66.3 85.1,66.6 ccw(c84.8,66.6) 84.8,66.9 84.1,66.9 cw(c84.1,67.1) 83.9,67.1 83.9,67.2 cw(c84.1,67.2) 84.1,67.4 84.601,67.4 85.601,68.4 87.3,68.4 ccw(c87.3,68.625) 87.525,68.625 87.525,68.844 cw(c87.75,68.844) 87.75,69.069 cw(c87.75,68.844) 87.975,68.844 87.975,68.625 ccw(c88.2,68.625) 88.2,68.4 88.6,68.4
  int_2 w0.2: 88.6,68.4 ccw(c88.6,68.625) 88.825,68.625 88.825,68.901 cw(c89.1,68.901) 89.1,69.176 cw(c89.1,68.901) 89.375,68.901 89.375,68.775 ccw(c89.65,68.775) 89.65,68.5 ccw(c89.65,68.775) 89.925,68.775 89.925,68.9 cw(c90.2,68.9) 90.2,69.175 cw(c90.2,68.9) 90.475,68.9 90.475,68.775 ccw(c90.75,68.775) 90.75,68.5 ccw(c90.75,68.775) 91.025,68.775 91.025,68.811 cw(c91.3,68.811) 91.3,69.086 cw(c91.3,68.811) 91.575,68.811 91.575,68.775 ccw(c91.85,68.775) 91.85,68.5 92.85,68.5 ccw(c92.85,68.75) 93.1,68.75 93.1,68.925 cw(c93.35,68.925) 93.35,69.175 cw(c93.35,68.925) 93.6,68.925 93.6,68.75 ccw(c93.85,68.75) 93.85,68.5 ccw(c93.85,68.75) 94.1,68.75 94.1,68.925 cw(c94.35,68.925) 94.35,69.175 cw(c94.35,68.925) 94.6,68.925 94.6,68.7 ccw(c94.8,68.7) 94.8,68.5 v1(95,68.5)
  Bottom Layer w0.125: 85.2,65.9 87.8,65.9 88.1,66.2
  Bottom Layer w0.15: v2(84.1,65.6) 84.9,65.6 85.2,65.9 ; 88.1,66.2 R12.8@89.4,66.2